# Altium PCB LOGI-PI.PcbDoc (part 2 of 3)
Units mil, origin at the board's own origin, x right, y up, seen from the top; angles counter-clockwise.
Board outline 3363.37 x 2303.46 mil, 4 copper layers (Top Layer, GND, VDD, Bottom Layer); 111 components, 137 nets, 532 pads, 353 vias.
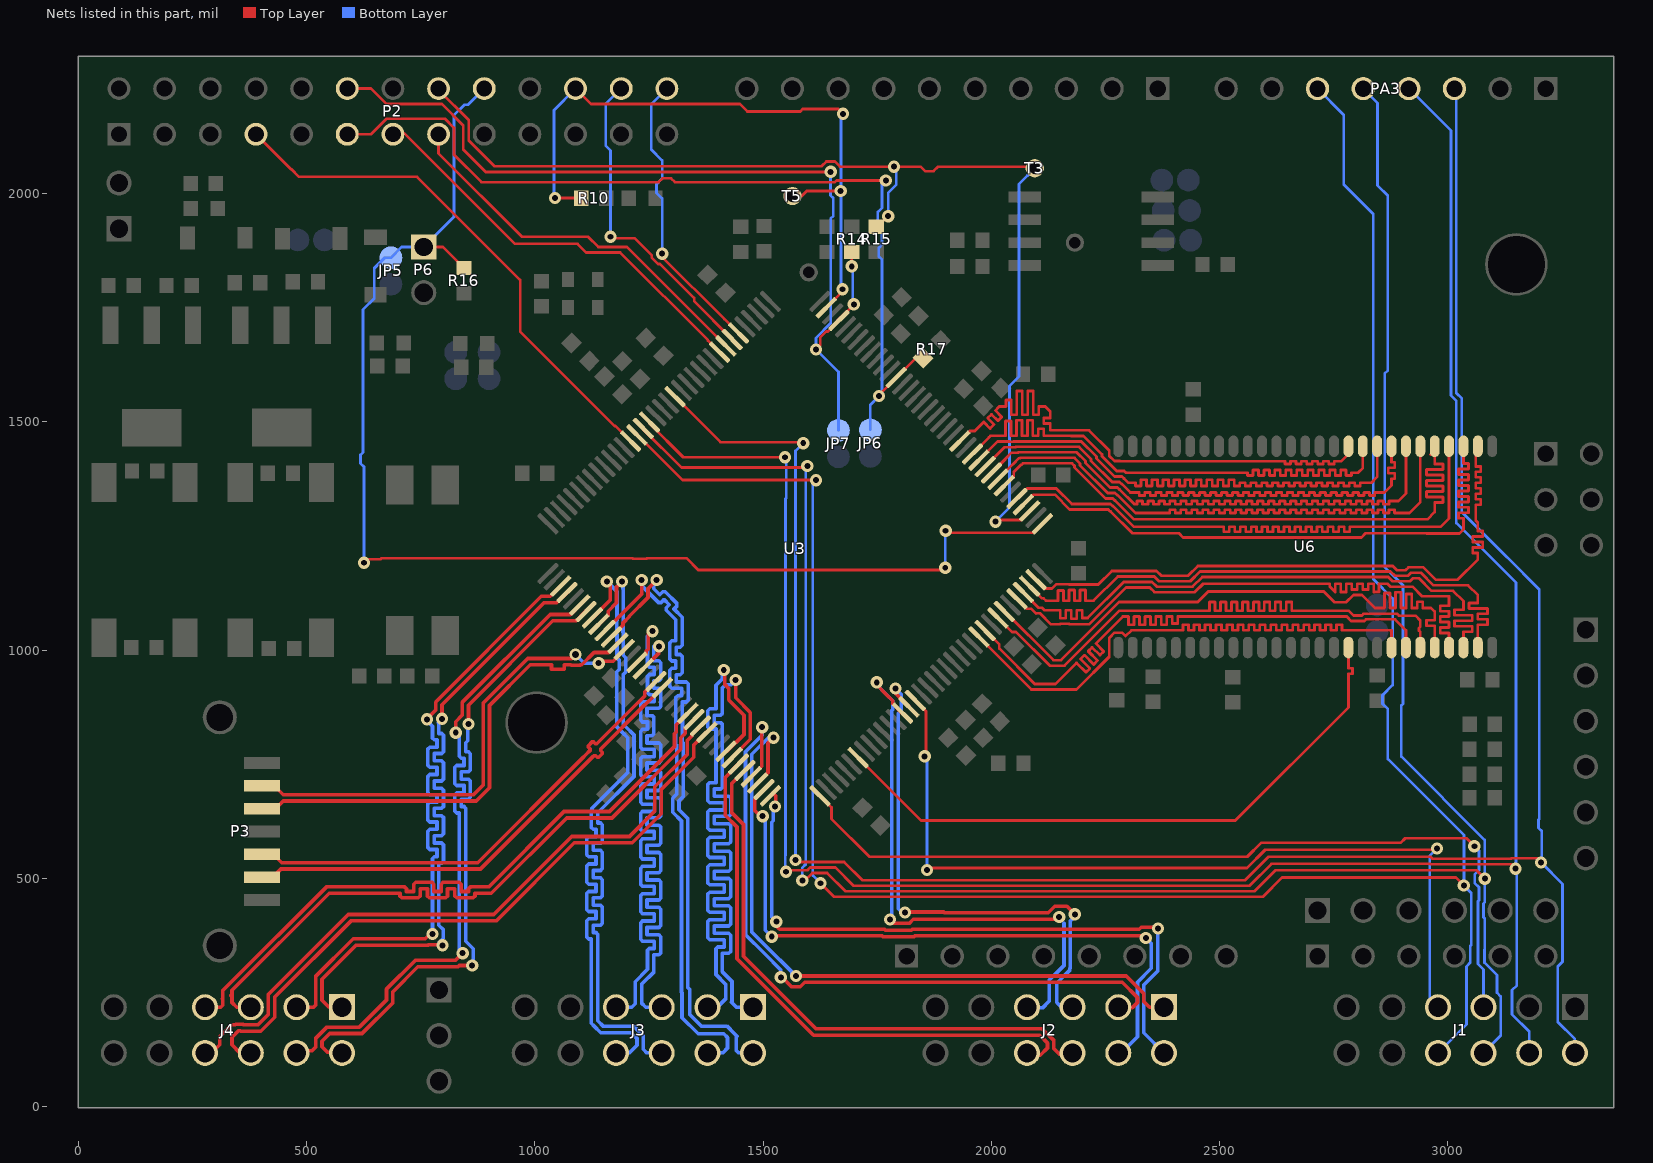
[diagram p4: the nets of this part, all layers, seen from the top]

## Via types
v1: diameter 27, hole 13, Top Layer to Bottom Layer, 267 vias
v2: diameter 27, hole 13, Top Layer to Bottom Layer, tented both sides, 76 vias
v3: diameter 27, hole 15, Top Layer to Bottom Layer, 10 vias

## Nets (pads, with @x,y where several pads share a name; then routed paths per layer and width w, separated by ;. In a path a pad name is that pad's centre, name@x,y a point inside that pad or via, vN(x,y) a via of type N, cw(c..) or ccw(c..) an arc to the next point about the centre after c; other vN are vias at no path point) (continued)
PMOD1_3_: J1.3 U3.1 | length 1897.7
  Top Layer w6: U3.1@1624.66,681.08 1650,655.73 1650,630.54 1733,547.54 2560.54,547.54 2591,578 2896.46,578 2906.5,588.04 3040.5,588.04 v1(3058,570.54)
  Bottom Layer w6: v1(3058,570.54) 3067.87,560.67 3067.87,518.23 3058.5,508.86 3058.5,490.22 3067.87,480.85 3067.87,452.09 3065.87,450.09 3065.87,312.74 3078.04,300.57 J1.3@3078.04,218
PMOD1_4_: J1.4 U3.16 | length 1884.8
  Top Layer w6: U3.16@1833.45,889.87 1833.45,889.75 1857,866.2 1857,770.54 v1(1854,767.54) 1854,766.54 1853,765.54 v1@1852.89,765.66 ; v1(1859,518.54) 1863.26,522.81 2559.81,522.81 2600,563 2973.46,563 v1(2976,565.54)
  Bottom Layer w6: v1(1854,767.54) 1859.04,762.5 1859.04,609.54 1859,609.5 v1(1859,518.54) ; v1(2976,565.54) 2960.37,549.91 2960.37,235.67 J1.4@2978.04,218
PMOD1_7_ARD_D2: J1.7 PA3.C3 U3.88 | length 5154.9
  Top Layer w6: U3.88@1307.29,1555.22 1406.97,1455.54 1586,1455.54 v1(1588,1453.54) ; v1(1571,540.54) 1575.5,536.04 1677.67,536.04 1717.67,496.04 2555.33,496.04 2606.83,547.54 2962.18,547.54 2966.68,543.04 3137.68,543.04 3138.68,544.04 3194.96,544.04 v1(3204,535)
  Bottom Layer w6: v1(1571,540.54) 1571,1436.54 v1(1588,1453.54) ; PA3.C3@3014.37,2230 3018.5,2225.87 3018.5,1562.8 3030.5,1550.8 3030.5,1302.04 3128.77,1203.77 ; 3129,1204 3200,1133 3200,630.82 3198.5,629.32 3198.5,610.68 3205.5,603.68 v1@3205.5,533.5 ; v1(3204,535) v1@3205.5,533.5 ; J1.7@3278.04,118 3278.04,148.27 3240.54,185.77 3240.54,307.38 3250.87,317.71 3250.87,488.13 v1@3205.5,533.5
PMOD1_8_ARD_D3: J1.8 PA3.C4 U3.92 | length 5114.6
  Top Layer w6: U3.92@1251.62,1499.54 1251.62,1496.08 1325.15,1422.54 v1(1548,1422.54) ; v1(1550.17,514.71) 1553.5,518.04 1576.53,518.04 1576.6,517.97 1576.68,518.04 1596.96,518.04 1602.96,524.04 1658.41,524.04 1698.41,484.04 2565.54,484.04 2613.5,532 2960.75,532 2961.71,531.04 3138.5,531.04 v1(3148,521.54)
  Bottom Layer w6: v1(1548,1422.54) 1551,1419.54 1551,1333.46 1549,1331.46 1549,550.86 1548.5,550.36 1548.5,516.37 v1(1550.17,514.71) ; PA3.C4@2914.37,2230 3006.5,2137.87 3006.5,1557.83 3018.5,1545.83 3018.5,1278.78 3148.87,1148.41 v1@3148.87,522.41 ; v1(3148,521.54) v1@3148.87,522.41 ; J1.8@3178.04,118 3178.04,164.97 3140.54,202.47 3140.54,255.5 3150.87,265.83 3150.87,520.41 v1@3148.87,522.41
PMOD1_9_ARD_D4: J1.9 PA3.C5 U3.93 | length 5119.1
  Top Layer w6: U3.93@1237.7,1485.62 1237.7,1483.59 1321.25,1400.04 1593.5,1400.04 v1(1597,1403.54) ; v1(1586,495.54) 1591.43,495.54 1607.93,512.04 1640.5,512.04 1680.5,472.04 2576.44,472.04 2622.4,518 3062.54,518 v1(3081,499.54)
  Bottom Layer w6: v1(1586,495.54) 1586,523.72 1593.5,531.22 1593.5,1400.04 v1(1597,1403.54) ; PA3.C5@2814.37,2230 2845.87,2198.5 2845.87,2017.74 2868.37,1995.24 2868.37,1612.62 2861.5,1605.75 2861.5,1182.54 2901.87,1142.17 2901.87,882.68 2898,878.81 2898,767.18 3080.5,584.68 3080.5,507.54 3081,507.04 v1(3081,499.54) ; J1.9@3078.04,118 3115.54,155.5 3115.54,241.7 3107.37,249.87 3107.37,288.21 3079.87,315.71 3079.87,344.29 3080.5,344.92 3080.5,412.25 3077.87,414.88 3077.87,445.12 3080.5,447.75 v1@3080.5,499.54
PMOD1_10_ARD_D5: J1.10 PA3.C6 U3.94 | length 5071.3
  Top Layer w6: U3.94@1223.78,1471.7 1224.84,1471.7 1324,1372.54 v1(1616,1372.54) ; v1(1626,489.54) 1655.5,460.04 2595.04,460.04 2637,502 3017.54,502 v1(3035,484.54)
  Bottom Layer w6: v1(1616,1372.54) 1609,1365.54 1609,506.54 v1(1626,489.54) ; PA3.C6@2714.37,2230 2771.86,2172.51 2771.86,2019.7 2836.5,1955.06 2836.5,1155.63 2879.06,1113.07 2879.06,923.51 2856.87,901.32 2856.87,882.68 2868.37,871.18 2868.37,761.69 3035,595.06 v1(3035,484.54) ; J1.10@2978.04,118 3040.54,180.5 3040.54,307.38 3048.87,315.71 3048.87,351.79 3050.87,353.79 3050.87,468.67 v1@3035.5,484.04
PMOD2_1_DIFF11_P: J2.1 U3.142 | length 1556.2
  Top Layer w8: U3.142@1484,704.54 1511,731.54 1511,796.54 v1(1523,808.54) ; v1(1572,286.54) 2295.54,286.54 2334,248.08 2334,230.65 2346.65,218 J2.1@2378.04,218
  Bottom Layer w8: v1(1523,808.54) 1522,809.54 1513,809.54 1475.5,772.04 1475.5,382.81 1509.27,349.04 1509.5,349.04 1562.5,296.04 1562.5,292.04 1568,286.54 v1(1572,286.54)
PMOD2_2_DIFF11_N: J2.2 U3.141 | length 1579.9
  Top Layer w8: U3.141@1474.33,722.84 1497,745.51 1497,830.54 v1(1498,831.54) ; v1(1539,283.54) 1541.77,283.54 1562.27,263.04 1581.73,263.04 1591.23,272.54 2286.54,272.54 2320,239.08 2320,228.54 2309,217.54 J2.2@2278.5,217.54 ; J2.2@2277.03,217.54 J2.2@2278.5,217.54 ; J2.2@2278.04,218 J2.2@2278.5,217.54
  Bottom Layer w8: v1(1498,831.54) 1498,814.34 1461.5,777.84 1461.5,377.01 1503.47,335.04 1503.7,335.04 1539,299.74 v1(1539,283.54)
PMOD2_3_DIFF9_P: J2.3 U3.15 | length 1196.2
  Top Layer w8: v1(1790.26,916.01) 1789.99,915.74 1789.99,905.49 U3.15@1819.53,875.95 ; v1(1811,425.54) 1810,426.54 1895.5,426.54 1897,425.04 2124.81,425.04 2138.81,439.04 2165.5,439.04 v1(2183,421.54)
  Bottom Layer w8: v1(1790.26,916.01) 1789.99,915.74 1802.5,903.23 1802.5,868.54 1796,862.04 1796,433.54 1804,425.54 v1(1811,425.54) ; J2.3@2178.04,218 2153.54,218 2143,228.54 2143,270.64 2172.04,299.68 2172.04,302.78 2173,303.74 2173,406.78 2178,411.78 v1@2178,420.54 ; v1@2178.5,420.54 v1@2178.5,421.54
PMOD2_4_DIFF9_N: J2.4 U3.14 | length 1244.9
  Top Layer w8: v1(1749,929.54) 1749,924.04 1770.1,902.94 1783.86,889.17 1783.86,882.39 1804.22,862.03 U3.14@1805.61,862.03 ; v1(1778,409.98) 1785.94,402.04 1820.73,402.04 1829.23,410.54 2143.54,410.54 v1(2148.54,415.54)
  Bottom Layer w8: v1(1749,929.54) 1749,924.04 1783.86,889.17 1783.86,869.7 1782,867.84 1782,411.84 v1@1783.86,409.98 ; J2.4@2078.69,217.54 2079.69,216.54 2112,216.54 2127,231.54 2127,277.54 2159,309.54 2159,401.54
PMOD2_7_DIFF12_P: J2.7 U3.144 | length 1437.2
  Top Layer w8: U3.144@1521,687.54 1527.67,680.88 1527.67,657.54 v1(1526,657.54) ; v1(1529,405.54) 1529,395.78 1536.23,388.54 1766.2,388.54 1768.27,386.48 1824.97,386.48 1827.03,388.54 2324.04,388.54 2328.64,393.14 v1@2352.7,393.14
  Bottom Layer w8: v1(1526,657.54) 1522.5,654.04 1522.5,626.81 1519,623.31 1519,415.54 v1(1529,405.54) ; v1(2365,390.54) 2364.37,389.91 2364.37,297.32 2334,266.95 2334,162.04 J2.7@2378.04,118
PMOD2_8_DIFF12_N: J2.8 U3.143 | length 1459.1
  Top Layer w8: v1@1496.5,634.04 1481.72,648.82 1481.72,673.78 1502.17,694.22 U3.143@1502.16,695 ; v1(1519,372.54) 1521,374.54 1760.4,374.54 1762.47,372.48 1830.77,372.48 1832.83,374.54 2333.47,374.54 v1(2338.37,369.64)
  Bottom Layer w8: v1(1499,636.54) 1505,630.54 1505,386.54 v1(1519,372.54) ; J2.8@2278.04,118 2284.44,118 2320,153.56 2320,238.54 ; 2320,241.54 2320,272.74 2350.37,303.11 2350.37,357.64 v1(2338.37,369.64)
PMOD2_9_DIFF10_P: J2.9 U3.140 | length 1244.1
  Top Layer w8: U3.140@1460.41,736.76 1431.1,707.45 1431.1,644.45 1457.1,618.44 1457.1,329.88 1616.48,170.5 2111.8,170.5 2137,145.3 2137,127.08 2148.54,115.54 J2.9@2172,115.54
PMOD2_10_DIFF10_N: J2.10 U3.139 | length 1285
  Top Layer w8: U3.139@1446.49,750.67 1417.1,721.28 1417.1,638.65 1443.1,612.64 1443.1,324.08 1610.68,156.5 2106,156.5 2123,139.5 2123,128.54 2107,112.54 2070,112.54 J2.10@2064,118.54
PMOD3_1_DIFF7_P: J3.1 U3.138 | length 1417.1
  Top Layer w8: U3.138@1432.57,764.59 1432.57,765.34 1472.26,805.03 1472.26,863.29 1440,895.54 v1(1440,934.54)
  Bottom Layer w8: v1(1440,934.54) 1430,924.54 1418,924.54 1411,917.54 1411,861.54 1406.9,857.44 1393,857.44 1393,841.44 1406.9,841.44 1411,837.34 1411,700.08 1406.9,695.98 1393,695.98 1393,679.98 1424.9,679.98 1429,675.88 1429,640.08 1424.9,635.98 1393,635.98 1393,619.98 1424.9,619.98 1429,615.88 1429,580.08 1424.9,575.98 1393,575.98 1393,559.98 1424.9,559.98 1429,555.88 1429,520.08 1424.9,515.98 1393,515.98 1393,499.98 1424.9,499.98 1429,495.88 1429,460.08 1424.9,455.98 1393,455.98 1393,439.98 1424.9,439.98 1429,435.88 1429,400.08 1424.9,395.98 1393,395.98 1393,379.98 1424.9,379.98 1429,375.88 1429,340.08 1424.9,335.98 1411,335.98 1411,295.34 1432,274.34 1432,230.11 1430.9,229.01 1441.91,218 J3.1@1478.04,218
PMOD3_2_DIFF7_N: J3.2 U3.137 | length 1430.2
  Top Layer w8: v1(1414,956.54) 1414,952.11 1416.5,949.61 1416.5,924.81 1425,916.31 1425,891.54 1426,890.54 1426,889.74 1458.26,857.49 1458.26,815.26 1421.51,778.51 U3.137@1418.65,778.51
  Bottom Layer w8: J3.2@1378.04,218 1400.09,218 1418,235.91 1418,268.54 1397,289.54 1397,345.88 1401.1,349.98 1415,349.98 1415,365.98 1383.1,365.98 1379,370.08 1379,405.88 1383.1,409.98 1415,409.98 1415,425.98 1383.1,425.98 1379,430.08 1379,465.88 1383.1,469.98 1415,469.98 1415,485.98 1383.1,485.98 1379,490.08 1379,525.88 1383.1,529.98 1415,529.98 1415,545.98 1383.1,545.98 1379,550.08 1379,585.88 1383.1,589.98 1415,589.98 1415,605.98 1383.1,605.98 1379,610.08 1379,645.88 1383.1,649.98 1415,649.98 1415,665.98 1383.1,665.98 1379,670.08 1379,705.88 1383.1,709.98 1397,709.98 1397,827.44 1383.1,827.44 1379,831.54 1379,867.34 1383.1,871.44 1397,871.44 1397,923.34 1411.17,937.51 1411.17,953.71 v1(1414,956.54)
PMOD3_3_DIFF5_P: J3.3 U3.124 | length 1432.4
  Top Layer w8: U3.124@1237.7,959.47 1271,992.77 1271,1008.54 v1(1272,1008.54)
  Bottom Layer w8: v1(1272,1008.54) 1261,1008.54 1261,976.77 1271.9,976.77 1276,972.67 1276,936.87 1271.9,932.77 1261,932.77 1261,916.77 1271.9,916.77 1276,912.67 1276,876.87 1271.9,872.77 1246,872.77 1246,856.77 1256.9,856.77 1261,852.67 1261,816.87 1256.9,812.77 1246,812.77 1246,796.77 1271.9,796.77 1276,792.67 1276,756.87 1271.9,752.77 1246,752.77 1246,736.77 1271.9,736.77 1276,732.67 1276,696.87 1271.9,692.77 1246,692.77 1246,676.77 1271.9,676.77 1276,672.67 1276,636.87 1271.9,632.77 1246,632.77 1246,616.77 1271.9,616.77 1276,612.67 1276,576.87 1271.9,572.77 1246,572.77 1246,556.77 1271.9,556.77 1276,552.67 1276,516.87 1271.9,512.77 1246,512.77 1246,496.77 1271.9,496.77 1276,492.67 1276,456.87 1271.9,452.77 1246,452.77 1246,436.77 1271.9,436.77 1276,432.67 1276,396.87 1271.9,392.77 1246,392.77 1246,376.77 1271.9,376.77 1276,372.67 1276,336.87 1271.9,332.77 1261,332.77 1261,295.28 1234,268.28 1234,227.16 1243.16,218 J3.3@1278.04,218
PMOD3_4_DIFF5_N: J3.4 U3.123 | length 1466.2
  Top Layer w8: U3.123@1223.78,973.39 1244.22,993.83 1244.22,998.25 1248.3,1002.33 v1@1248.3,1035.44
  Bottom Layer w8: J3.4@1178.04,218 1212.46,218 1220,225.54 1220,274.08 1247,301.08 1247,342.67 1251.1,346.77 1262,346.77 1262,362.77 1236.1,362.77 1232,366.87 1232,402.67 1236.1,406.77 1262,406.77 1262,422.77 1236.1,422.77 1232,426.87 1232,462.67 1236.1,466.77 1262,466.77 1262,482.77 1236.1,482.77 1232,486.87 1232,522.67 1236.1,526.77 1262,526.77 1262,542.77 1236.1,542.77 1232,546.87 1232,582.67 1236.1,586.77 1262,586.77 1262,602.77 1236.1,602.77 1232,606.87 1232,642.67 1236.1,646.77 1262,646.77 1262,662.77 1236.1,662.77 1232,666.87 1232,702.67 1236.1,706.77 1262,706.77 1262,722.77 1236.1,722.77 1232,726.87 1232,762.67 1236.1,766.77 1262,766.77 1262,782.77 1236.1,782.77 1232,786.87 1232,822.67 1236.1,826.77 1247,826.77 1247,842.77 1236.1,842.77 1232,846.87 1232,882.67 1236.1,886.77 1262,886.77 1262,902.77 1251.1,902.77 1247,906.87 1247,942.67 1251.1,946.77 1262,946.77 1262,962.77 1251.1,962.77 1247,966.87 1247,1030.54 v1(1258,1041.54)
PMOD3_7_DIFF8_P: J3.7 U3.119 | length 1447.5
  Top Layer w8: U3.119@1168.1,1029.06 1193.36,1054.32 1193.36,1059.37 1207.12,1073.14 1207.12,1074.51 1248,1115.39 1248,1134.31 1257.5,1143.81 1257.5,1144.04 v1(1267,1153.54)
  Bottom Layer w8: v1(1267,1153.54) 1260.5,1147.04 1260.5,1134.84 1273.93,1121.41 1280.23,1127.7 1286.03,1127.7 1311.34,1102.39 1311.34,1096.59 1305.05,1090.29 1323,1072.34 1323,1010.54 1318.9,1006.44 1310,1006.44 1310,990.44 1318.9,990.44 1323,986.34 1323,950.54 1318.9,946.44 1310,946.44 1310,930.44 1331.9,930.44 1336,926.34 1336,890.54 1331.9,886.44 1323,886.44 1323,850.9 1323.5,850.4 1323.5,819.33 1323,818.83 1323,799.34 1325.34,797 1325.34,679.66 1315.96,670.28 1315.96,650.81 1335.25,631.52 1335.25,261.3 1339.54,257 1339.54,202.05 1364.89,176.7 1420.88,176.7 1438.02,159.56 ; 1443,154.59 1438.02,159.56 ; J3.7@1478.04,118 1446.54,118 1441,123.54 1441,156.59 1438.02,159.56
PMOD3_8_DIFF8_N: J3.8 U3.118 | length 1423
  Top Layer w8: U3.118@1154.18,1042.98 1234,1122.8 v1(1234,1153.54)
  Bottom Layer w8: v1(1234,1153.54) 1234,1141.54 1271.04,1104.51 1276.83,1104.51 1283.13,1110.8 1294.44,1099.49 1288.15,1093.19 1288.15,1087.4 1309,1066.54 1309,1020.44 1300.1,1020.44 1296,1016.34 1296,980.54 1300.1,976.44 1309,976.44 1309,960.44 1300.1,960.44 1296,956.34 1296,920.54 1300.1,916.44 1322,916.44 1322,900.44 1313.1,900.44 1309,896.34 1309,845.1 1309.5,844.6 1309.5,825.13 1309,824.63 1309,793.54 1311.34,791.2 1311.34,685.46 1301.96,676.08 1301.96,645.01 1321.25,625.72 1321.25,251.26 1322.54,249.96 1322.54,195.01 1357.85,159.7 1413.84,159.7 1422,151.54 1422,128.54 1411.46,118 J3.8@1378.04,118
PMOD3_9_DIFF6_P: J3.9 U3.117 | length 1451.6
  Top Layer w8: U3.117@1140.26,1056.9 1140.88,1056.9 1160.7,1076.72 1160.7,1085.38 1179,1103.68 1179,1138.31 1181.5,1140.81 1181.5,1141.04 v1(1191,1150.54)
  Bottom Layer w8: v1(1191,1150.54) 1193.36,1148.18 1193.36,1134.75 1194,1134.11 1194,1060.02 1193.36,1059.37 1193.36,1039.91 1194,1039.26 1194,988.69 1199.42,983.27 1199.42,952.21 1194,946.79 1194,924.23 1193.5,923.73 1193.5,904.27 1193.88,903.88 1193.88,899.81 1193.94,899.76 1193.94,837.4 1197.8,833.54 1198.17,833.54 1217.5,814.21 1217.5,723.24 1138,643.74 1138,621.54 1143.9,621.54 1148,617.44 1148,581.64 1143.9,577.54 1128,577.54 1128,561.54 1143.9,561.54 1148,557.44 1148,521.64 1143.9,517.54 1128,517.54 1128,501.54 1143.9,501.54 1148,497.44 1148,461.64 1143.9,457.54 1128,457.54 1128,441.54 1143.9,441.54 1148,437.44 1148,401.64 1143.9,397.54 1128,397.54 1128,381.54 1133.9,381.54 1138,377.44 1138,188.5 1150.5,176 1217.12,176 1233.68,159.44 1237.78,155.34 1237.78,125.77 1245.54,118 J3.9@1278.04,118
PMOD3_10_DIFF6_N: J3.10 U3.116 | length 1444.1
  Top Layer w8: U3.116@1126.34,1070.82 1127.64,1070.82 1146.7,1089.88 1146.7,1091.18 1165,1109.48 1165,1143.54 v1(1158,1150.54)
  Bottom Layer w8: v1(1158,1150.54) 1158,1150.31 1180,1128.31 1180,1065.81 1179.36,1065.17 1179.36,1034.11 1180,1033.47 1180,986.53 1179.94,986.47 1179.94,982.95 1185.42,977.47 1185.42,958.01 1179.88,952.47 1179.88,929.92 1179.5,929.53 1179.5,898.47 1179.88,898.08 1179.88,894.01 1179.94,893.96 1179.94,831.6 1192,819.54 1192.37,819.54 1203.5,808.41 1203.5,732.04 1125.54,654.08 1125.54,651.08 1124,649.54 1124,611.64 1128.1,607.54 1134,607.54 1134,591.54 1118.1,591.54 1114,587.44 1114,551.64 1118.1,547.54 1134,547.54 1134,531.54 1118.1,531.54 1114,527.44 1114,491.64 1118.1,487.54 1134,487.54 1134,471.54 1118.1,471.54 1114,467.44 1114,431.64 1118.1,427.54 1134,427.54 1134,411.54 1118.1,411.54 1114,407.44 1114,371.64 1118.1,367.54 1124,367.54 1124,182.7 1130,176.7 1144.7,162 1211.32,162 1223.78,149.54 1223.78,134.77 1207.01,118 J3.10@1178.04,118
PMOD4_1_DIFF3_P: J4.1 U3.112 | length 1451
  Top Layer w8: J4.1@578.04,218 549.54,218 534,233.54 534,279.54 608.3,353.85 766.1,353.85 767.3,355.04 784.27,355.04 ; v1(797,849.54) 797,880.54 1020.29,1103.84 1048,1103.84 U3.112@1070.66,1126.5
  Bottom Layer w8: v1(797,849.54) 788.47,841.01 790,839.48 790,817.58 795.9,817.58 800,813.48 800,777.68 795.9,773.58 780,773.58 780,757.58 795.9,757.58 800,753.48 800,717.68 795.9,713.58 780,713.58 780,697.58 795.9,697.58 800,693.48 800,657.68 795.9,653.58 780,653.58 780,637.58 795.9,637.58 800,633.48 800,597.68 795.9,593.58 780,593.58 780,577.58 795.9,577.58 800,573.48 800,537.68 795.9,533.58 790,533.58 790,397.78 799.5,388.28 799.5,368.81 791.12,360.43 v1(798,353.54)
PMOD4_2_DIFF3_N: J4.2 U3.111 | length 1459
  Top Layer w8: J4.2@478.04,218 515.46,218 520,222.54 520,285.34 602.5,367.85 760.3,367.85 v1@776,383.54 ; v1(763.87,848.54) 763.87,849.97 783,869.1 783,886.34 1014.49,1117.84 1034.16,1117.84 U3.111@1056.74,1140.42
  Bottom Layer w8: v1(763.87,848.54) 766.87,845.54 766.87,842.81 776,833.68 776,807.68 780.1,803.58 786,803.58 786,787.58 770.1,787.58 766,783.48 766,747.68 770.1,743.58 786,743.58 786,727.58 770.1,727.58 766,723.48 766,687.68 770.1,683.58 786,683.58 786,667.58 770.1,667.58 766,663.48 766,627.68 770.1,623.58 786,623.58 786,607.58 770.1,607.58 766,603.48 766,567.68 770.1,563.58 786,563.58 786,547.58 780.1,547.58 776,543.48 v1(776,378.54)
PMOD4_3_DIFF1_P: J4.3 U3.132 | length 1440.4
  Top Layer w8: 334,243.54 337.05,246.59 ; J4.3@378.04,218 347.54,218 337.05,228.49 337.05,246.59 ; U3.132@1349.05,848.11 1329.63,828.69 1329.63,817.77 1320,808.14 1320,783.14 1169.4,632.54 1069.8,632.54 904.8,467.54 869,467.54 869,461.64 864.9,457.54 829.1,457.54 825,461.64 825,477.54 809,477.54 809,461.64 804.9,457.54 769.1,457.54 765,461.64 765,477.54 749,477.54 749,461.64 744.9,457.54 709.1,457.54 705,461.64 705,467.54 549.64,467.54 337.05,254.95 337.05,246.59
PMOD4_4_DIFF1_N: J4.4 U3.131 | length 1455.2
  Top Layer w8: J4.4@278.04,218 312.46,218 316.85,222.39 316.85,237.39 ; 316,236.54 316.85,237.39 ; U3.131@1335.13,862.03 1310,836.9 1310,820.82 1306,816.82 1306,813.94 1306,788.94 1163.6,646.54 1064,646.54 899,481.54 859.1,481.54 855,477.44 855,471.54 839,471.54 839,487.44 834.9,491.54 799.1,491.54 795,487.44 795,471.54 779,471.54 779,487.44 774.9,491.54 739.1,491.54 735,487.44 735,471.54 719,471.54 719,477.44 714.9,481.54 543.85,481.54 327.15,264.85 316.85,254.54 316.85,237.39
PMOD4_7_DIFF4_P: J4.7 U3.115 | length 1464.2
  Top Layer w8: J4.7@578.04,118 576.5,119.54 546,119.54 534,131.54 534,143.74 550.8,160.54 621.8,160.54 689.37,228.11 689.37,251.91 744,306.54 831.8,306.54 834.8,309.54 v1(863,309.54) ; v1(854.84,838.15) 854.84,879.39 1039.68,1064.22 1090.72,1064.22 1111.24,1084.74 U3.115@1112.42,1084.74
  Bottom Layer w8: v1(854.84,838.15) 854.84,835.39 853,833.54 853,801.54 849,797.54 849,777.54 854.9,777.54 859,773.44 859,737.64 854.9,733.54 839,733.54 839,717.54 854.9,717.54 859,713.44 859,677.64 854.9,673.54 839,673.54 839,657.54 844.9,657.54 849,653.44 849,362.78 865.5,346.28 865.5,312.04 v1(863,309.54)
PMOD4_8_DIFF4_N: J4.8 U3.114 | length 1454.2
  Top Layer w8: J4.8@478.04,118 482.58,122.54 512,122.54 520,130.54 520,149.54 545,174.54 616,174.54 675.37,233.91 675.37,257.71 738.2,320.54 826,320.54 v1(842,336.54) ; v1(827,819.33) 827,843.54 840.84,857.39 840.84,885.19 1033.88,1078.22 1078.06,1078.22 U3.114@1098.5,1098.66
  Bottom Layer w8: v1(827,819.33) 835,811.33 835,767.64 839.1,763.54 845,763.54 845,747.54 829.1,747.54 825,743.44 825,707.64 829.1,703.54 845,703.54 845,687.54 829.1,687.54 825,683.44 825,647.64 829.1,643.54 835,643.54 835,343.54 v1(842,336.54)
PMOD4_9_DIFF2_P: J4.9 U3.134 | length 1455.1
  Top Layer w8: J4.9@378.04,118 354.59,118 337.05,135.54 337.05,152.59 351,166.54 355.25,166.54 356.29,165.5 399.79,165.5 400.83,166.54 401,166.54 430.54,196.08 430.54,240.26 597.32,407.04 915.8,407.04 1086.8,578.04 1213.4,578.04 1277.1,641.74 1277.1,694.85 1348,765.74 1348,792.29 1375.99,820.27 U3.134@1376.89,820.27
PMOD4_10_DIFF2_N: J4.10 U3.133 | length 1465.7
  Top Layer w8: J4.10@285,110.54 310.13,135.67 310.13,153.67 335.96,179.5 344.16,179.5 345.2,180.54 361.05,180.54 362.09,179.5 393.99,179.5 416.54,202.05 416.54,246.06 591.52,421.04 910,421.04 1081,592.04 1207.6,592.04 1263.1,647.54 1263.1,700.65 1334,771.54 1334,802.34 1343.63,811.97 1343.63,814.85 U3.133@1362.97,834.19
RP_GPIO_GCLK: P2.7 U3.95 | length 1174.1
  Top Layer w6: P2.7@389.37,2130 466.13,2053.24 467.3,2053.24 483.78,2036.76 742.24,2036.76 968,1811 968,1697.54 1174.5,1491.04 1176.5,1491.04 U3.95@1216,1451.54
RP_GPIO_GEN0_MODE0: JP6.1 P2.11 R17.2 U3.60 | length 2015.9
  Top Layer w6: P2.11@589.37,2130 641.29,2130 675.29,2164 803.45,2164 823.37,2144.08 823.37,2085.17 883.5,2025.04 1271.22,2025.04 1279.68,2033.5 1298.32,2033.5 1306.78,2025.04 1657.32,2025.04 1660.82,2028.54 v1(1769,2028.54) ; v1(1754,1556.54) 1754,1558.55 1791.69,1596.24 U3.60@1791.69,1596.98 1834.65,1639.93 R17.2@1848.62,1639.93
  Bottom Layer w6: P2.11@576.87,2117.5 P2.11@589.37,2130 ; JP6.1@1735,1482.54 1735,1537.54 v1(1754,1556.54) 1760.36,1562.91 1760.36,1855.68 1753.38,1862.67 1753.38,1881.31 1760.36,1888.29 1760.36,1932.36 1751.5,1941.22 1751.5,1959.86 1760.36,1968.73 1760.36,2019.91 v1(1769,2028.54)
RP_GPIO_GEN1_MODE1: JP7.1 P2.12 R14.2 U3.69 | length 2028.5
  Top Layer w6: P2.12@589.37,2230 641.29,2230 675.29,2196 796.54,2196 843.37,2149.17 843.37,2096.84 892.67,2047.54 v1(1648,2047.54) ; v1(1616,1658.54) 1625.05,1667.59 1625.05,1684.86 1638.23,1698.04 1642.04,1698.04 1666.25,1722.25 U3.69@1666.41,1722.25 1666.41,1724.96 U3.69@1668.75,1727.29 ; U3.69@1664.42,1724.24 1667.48,1727.29 U3.69@1668.75,1727.29 ; U3.69@1669.74,1727.29 U3.69@1668.75,1727.29 ; v1(1694.25,1840.54) R14.2@1694.25,1871.98 ; v1(1699,1757.54) U3.69@1668.75,1727.29
  Bottom Layer w6: v1(1648,2047.54) 1647.5,2047.04 1647.5,1996.22 1654,1989.72 1654,1951.22 1648,1945.22 1648,1716 1616,1684 v1(1616,1658.54) 1665,1609.54 JP7.1@1665,1481.54 ; v1(1694.25,1840.54) 1696.5,1838.3 1696.5,1760.04 v1(1699,1757.54)
RP_GPIO_GEN2: P2.13 U3.81 | length 914.8
  Top Layer w6: P2.13@689.37,2130 690.91,2131.54 714.78,2131.54 956.32,1890.01 1093.47,1890.01 1112.44,1871.04 1187.08,1871.04 1379,1679.12 1379,1678.38 U3.81@1404.73,1652.65
RP_GPIO_GEN3: P2.15 U3.80 | length 845.7
  Top Layer w6: P2.15@789.37,2130 789.37,2088.17 972,1905.54 1116.85,1905.54 1139.35,1883.04 1202.18,1883.04 U3.80@1418.65,1666.57
RP_GPIO_GEN4_INIT_B: P2.16 R15.1 T3.1 U3.39 | length 2470.2
  Top Layer w6: P2.16@789.37,2230 789.37,2226.81 855.37,2160.81 855.37,2115.92 911.29,2060 1628.64,2060 1638.68,2070.04 1657.32,2070.04 1668.32,2059.04 v1(1787,2059.04) 1845.05,2059.04 1855.05,2049.04 1873.69,2049.04 1883.69,2059.04 2091.5,2059.04 T3.1@2095,2055.54 ; R15.1@1748,1927.1 1750.56,1927.1 v1(1774,1950.54) ; v1(2009,1281.54) 2012.69,1285.23 2064.56,1285.23 U3.39@2084,1304.67
  Bottom Layer w6: v1(1774,1950.54) 1774,2001.72 1791.5,2019.22 1791.5,2054.54 v1(1787,2059.04) ; v1(2009,1281.54) 2040,1312.54 2040,1578.72 2060.5,1599.22 2060.5,2021.04 T3.1@2095,2055.54
RP_GPIO_GEN5_PROG_B: JP5.1 P2.18 P6.1 R16.1 U3.37 | length 2912
  Top Layer w6: v1(626,1191.54) 633.5,1199.04 662.19,1199.04 664.76,1201.62 1214.11,1201.62 1215.68,1200.04 1244.32,1200.04 1245.89,1201.62 1331.93,1201.62 1358,1175.54 1889,1175.54 1902,1188.54 1902,1183.54 v1(1899,1180.54) ; P6.1@756.8,1883.04 799.06,1883.04 R16.1@845,1837.1 ; v1(1900,1261.54) 1904.15,1257.39 2092.85,1257.39 2111.84,1276.38 U3.37@2111.84,1276.83
  Bottom Layer w6: v1(626,1191.54) 626,1401.68 618.5,1409.18 618.5,1427.82 624,1433.32 624,1746.18 648.5,1770.68 648.5,1836.54 671.5,1859.54 JP5.1@685,1859.54 708.5,1883.04 P6.1@756.8,1883.04 823,1949.24 823,2110.18 823.37,2110.55 823.37,2171.91 846,2194.54 853.91,2194.54 P2.18@889.37,2230 ; v1(1899,1180.54) 1899,1260.54 v1(1900,1261.54)
RP_GPIO_GEN6_DONE: P2.22 R10.1 T5.1 U3.71 | length 1471.7
  Top Layer w6: v1(1044.51,1990.54) 1100.9,1990.54 R10.1@1101.44,1990 ; P2.22@1089.37,2230 1123.37,2196 1449.58,2196 1465.66,2179.92 1581.62,2179.92 1586.74,2185.04 1664.5,2185.04 v1(1675,2174.54) ; T5.1@1564.37,1994.54 1584.68,1994.54 1595.68,2005.54 v1(1670,2005.54) ; U3.71@1638.58,1750.09 1674,1785.51 v1(1674,1790.54)
  Bottom Layer w6: v1@1042,2000.54 1042,2182.63 P2.22@1089.37,2230 ; v1(1674,1790.54) 1670.5,1794.04 1670.5,2170.04 v1(1675,2174.54)
RP_SPI_CE0N: P2.24 U3.79 | length 710
  Top Layer w6: v1(1166,1905.54) 1169.2,1902.35 1218.25,1902.35 1256.5,1864.1 1256.5,1859.22 1269.68,1846.04 1274.55,1846.04 1349.05,1771.54 1349.05,1764.35 1432.57,1680.83 U3.79@1432.57,1680.49
  Bottom Layer w6: v1(1166,1905.54) 1166,2094.66 1155.37,2105.29 1155.37,2196 P2.24@1189.37,2230
RP_SPI_CE1N: P2.26 U3.78 | length 639.4
  Top Layer w6: v1(1279,1868.54) 1279,1861.55 1415.65,1724.9 1416,1724.9 U3.78@1446.49,1694.41
  Bottom Layer w6: v1(1279,1868.54) 1279,1989.18 1266.5,2001.68 1266.5,2020.32 1279,2032.82 1279,2072.37 1255.37,2096 1255.37,2196 P2.26@1289.37,2230
SATA_D1_N: P3.3 U3.126 | length 1054
  Top Layer w8: P3.3@403.04,553 427.54,553 445.94,534.61 875.41,534.61 1104.67,763.87 1111.58,770.77 1121.19,780.39 1121.19,783.78 1117.52,787.46 1117.52,790.85 1125.44,798.77 1128.83,798.77 1132.51,795.1 1135.9,795.1 1145.52,804.71 1151.17,810.37 1226.85,886.04 1227.12,886.04 1240.88,899.81 1240.88,908.43 1264.08,931.63 U3.126@1265.53,931.63
SATA_D1_P: P3.2 U3.127 | length 1062.6
  Top Layer w8: P3.2@403.04,503 426.75,503 444.36,520.61 881.21,520.61 1127.57,766.97 1129.6,769 1133,769 1136.68,765.32 1140.07,765.32 1147.99,773.24 1147.99,776.64 1144.31,780.31 1144.31,783.71 1148.27,787.67 1232.65,872.04 1232.92,872.04 1250.13,889.25 1251,889.25 U3.127@1279.45,917.71
SATA_D2_N: P3.5 U3.120 | length 1057.6
  Top Layer w8: P3.5@403.04,653 432.8,653 449.34,669.54 871.71,669.54 901,698.83 901,878.71 990.22,967.93 1025,967.93 1036.65,967.93 1036.65,957.93 1064.65,957.93 1064.65,967.93 1078.65,967.93 1079.64,966.94 1099.1,966.94 1100.09,967.93 1102.93,967.93 1130,995 1147.48,995 1161.87,995 U3.120@1182.02,1015.14 U3.120@1179.6,1015.15
SATA_D2_P: P3.6 U3.121 | length 1052.9
  Top Layer w8: P3.6@403.04,703 429.54,703 449,683.54 865.91,683.54 887,704.63 887,884.51 984.42,981.93 1080.86,981.93 v3(1089.37,990.44) ; v1@1146.72,971.5 v1@1148.22,973 ; v1@1148.28,976 1171.69,976 1195.94,1000.25 U3.121@1195.94,1001.22
  Bottom Layer w8: v3(1089.37,990.44) 1108.31,971.5 v1(1140,971.5) v1@1146.72,971.5
SD-A0: U3.30 U6.23 | length 1417.8
  Top Layer w6: U3.30@2028.32,1084.74 2029.44,1084.74 2136.1,978.09 2152.52,978.09 2279.97,1105.54 2452,1105.54 2475,1128.54 2727.97,1128.54 2751.47,1105.04 2777.16,1105.04 2793.05,1120.94 2811.69,1120.94 2840.08,1092.54 2861,1092.54 2861,1125.03 2873,1125.03 2873,1092.54 2885,1092.54 2885,1127.04 2897,1127.04 2897,1092.54 2909,1092.54 2909,1123.31 2921,1123.31 2921,1092.54 2933,1092.54 2933,1106.04 2945,1106.04 2945,1092.54 2963,1092.54 2971.03,1084.51 2971.03,1065.54 2953.03,1065.54 2953.03,1053.54 2971.03,1053.54 U6.23@2971.03,1005.79
SD-A1: U3.32 U6.24 | length 1409.2
  Top Layer w6: U3.32@2056.16,1112.58 2078.23,1090.51 2087.55,1090.51 2097.79,1080.27 2098.52,1081 2105.97,1081 2130.43,1056.54 2150.28,1056.54 2151.68,1057.94 2170.32,1057.94 2171.72,1056.54 2214,1056.54 2295,1137.54 2346.87,1137.54 2357.37,1127.04 2445.6,1127.04 2464.1,1145.54 2741.27,1145.54 2741.27,1139.54 2753.27,1127.54 2753.27,1145.54 2765.27,1145.54 2765.27,1127.54 2777.27,1127.54 2777.27,1145.54 2789.27,1145.54 2789.27,1132.94 2801.27,1132.94 2801.27,1145.54 2813.27,1145.54 2813.27,1132.83 2825.27,1132.83 2825.27,1145.54 2837.27,1145.54 2837.27,1127.54 2849.27,1127.54 2849.27,1145.54 2867.27,1145.54 2873.77,1139.04 2922.23,1139.04 2943.23,1118.04 3002.53,1118.04 3002.53,1097.54 2982.98,1097.54 2982.98,1085.54 3002.53,1085.54 3002.53,1073.54 2983.03,1073.54 2983.03,1061.54 3002.53,1061.54 3002.53,1049.54 2983.03,1049.54 2983.03,1037.54 3002.53,1037.54 U6.24@3002.53,1005.79
SD-A2: U3.33 U6.25 | length 1400.5
  Top Layer w6: U3.33@2070.08,1126.47 2103.55,1093 2110.94,1093 2116.4,1087.54 2151,1087.54 2151,1069.94 2163,1069.94 2163,1087.54 2175,1087.54 2175,1068.99 2187,1068.99 2187,1087.54 2199,1087.54 2199,1070.51 2211,1070.51 2290.03,1149.54 2351.84,1149.54 2362.34,1139.04 2440.63,1139.04 2462.13,1160.54 2869.24,1160.54 2878.74,1151.04 2917.26,1151.04 2923.76,1157.54 2936.24,1157.54 2963.74,1130.04 3011.51,1130.04 3034.02,1107.53 3034.02,1088.54 3014.52,1088.54 3014.52,1076.54 3053.52,1076.54 3053.52,1064.54 3014.52,1064.54 3014.52,1052.54 3053.52,1052.54 3053.52,1040.54 3034.02,1040.54 U6.25@3034.02,1005.79
SD-A3: U3.34 U6.26 | length 1432.2
  Top Layer w6: U3.34@2084,1140.42 2110.87,1113.54 2114.37,1113.54 2119.37,1108.54 2146,1108.54 2146,1130.97 2158,1130.97 2158,1108.54 2170,1108.54 2170,1131.68 2182,1131.68 2182,1108.54 2194,1108.54 2194,1131.68 2206,1131.68 2206,1108.54 2224,1108.54 2277,1161.54 2356.81,1161.54 2367.31,1151.04 2435.66,1151.04 2457.16,1172.54 2874.21,1172.54 2883.71,1163.04 2912.29,1163.04 2918.79,1169.54 2941.21,1169.54 2968.71,1142.04 3044.41,1142.04 3065.52,1120.94 3065.52,1103.54 3046.02,1103.54 3046.02,1091.54 3086.52,1091.54 3086.52,1079.54 3065.52,1079.54 3065.52,1067.54 3086.52,1067.54 3086.52,1055.54 3065.52,1055.54 U6.26@3065.52,1005.79
SD-A4: U3.35 U6.29 | length 1469.8
  Top Layer w6: U3.35@2097.92,1154.34 2117.36,1134.9 2132.96,1134.9 2142.61,1144.54 2169.67,1144.54 2170.54,1143.68 2234.13,1143.68 2264,1173.54 2361.78,1173.54 2372.28,1163.04 2430.69,1163.04 2452.19,1184.54 2879.18,1184.54 2888.68,1175.04 2907.32,1175.04 2913.82,1181.54 2946.18,1181.54 2973.68,1154.04 3020.5,1154.04 3065.52,1199.06 3065.52,1213.02 3054.52,1213.02 3054.52,1225.02 3076.52,1225.02 3076.52,1237.02 3054.52,1237.02 3054.52,1249.02 3076.52,1249.02 3076.52,1261.02 3065.52,1261.02 3065.52,1279.02 3060.86,1283.68 3060.86,1318.54 3071.86,1318.54 3071.86,1330.54 3060.86,1330.54 3060.86,1342.54 3071.86,1342.54 3071.86,1354.54 3060.86,1354.54 3060.86,1366.54 3071.86,1366.54 3071.86,1378.54 3060.86,1378.54 3060.86,1390.54 3071.86,1390.54 3071.86,1402.54 3060.86,1402.54 3060.86,1442.08 U6.29@3065.52,1446.74
SD-A5: U3.40 U6.30 | length 1421.8
  Top Layer w6: U3.40@2070.08,1318.59 2092.03,1340.54 2139.04,1340.54 2171.29,1308.29 2256.05,1308.29 2260.29,1304.04 2261.17,1304.04 2309.17,1256.04 2410.8,1256.04 2420.04,1246.81 2810.27,1246.81 2819.5,1256.04 2953.32,1256.04 2953.82,1255.54 3025,1255.54 3034.02,1264.57 3034.02,1288.8 3023.02,1288.8 3023.02,1300.8 3045.02,1300.8 3045.02,1312.8 3023.02,1312.8 3023.02,1324.8 3045.02,1324.8 3045.02,1336.8 3023.02,1336.8 3023.02,1348.8 3045.02,1348.8 3045.02,1360.8 3023.02,1360.8 3023.02,1372.8 3045.02,1372.8 3045.02,1384.8 3023.02,1384.8 3023.02,1396.8 3045.02,1396.8 3045.02,1408.8 3034.02,1408.8 U6.30@3034.02,1446.74
SD-A6: U3.41 U6.31 | length 1419.8
  Top Layer w6: U3.41@2056.16,1332.51 2078,1354.35 2142.21,1354.35 2176.26,1320.29 2261.02,1320.29 2265.26,1316.04 2266.14,1316.04 2311.64,1270.54 2509,1270.54 2509,1259.54 2521,1259.54 2521,1270.54 2533,1270.54 2533,1259.54 2545,1259.54 2545,1270.54 2557,1270.54 2557,1259.54 2569,1259.54 2569,1270.54 2581,1270.54 2581,1259.54 2593,1259.54 2593,1270.54 2605,1270.54 2605,1259.54 2617,1259.54 2617,1270.54 2629,1270.54 2629,1259.54 2641,1259.54 2641,1270.54 2653,1270.54 2653,1259.54 2665,1259.54 2665,1270.54 2677,1270.54 2677,1259.54 2689,1259.54 2689,1270.54 2701,1270.54 2701,1259.54 2713,1259.54 2713,1270.54 2725,1270.54 2725,1259.54 2737,1259.54 2737,1270.54 2749,1270.54 2749,1259.54 2761,1259.54 2761,1270.54 2773,1270.54 2773,1259.54 2785,1259.54 2785,1270.54 2797,1270.54 2809,1270.54 2821,1270.54 2833,1270.54 2845,1270.54 2857,1270.54 2869,1270.54 2881,1270.54 2893,1270.54 2905,1270.54 2917,1270.54 2923,1270.54 2984.52,1270.54 3002.53,1288.55 U6.31@3002.53,1446.74
SD-A7: U3.43 U6.32 | length 1437.2
  Top Layer w6: U3.43@2028.32,1360.35 2028.32,1360.86 2049,1381.54 2049,1390.28 2064.77,1406.04 2065.73,1406.04 2068.96,1409.28 2177.03,1409.28 2182.31,1404 2182.31,1399.89 2249.91,1332.29 2265.99,1332.29 2270.23,1328.04 2271.11,1328.04 2312.61,1286.54 2955.04,1286.54 2971.03,1302.53 2971.03,1323.54 2989.03,1323.54 2989.03,1335.54 2953.03,1335.54 2953.03,1347.54 2989.03,1347.54 2989.03,1359.54 2953.03,1359.54 2953.03,1371.54 2989.03,1371.54 2989.03,1383.54 2953.03,1383.54 2953.03,1395.54 2989.03,1395.54 2989.03,1407.54 2971.03,1407.54 U6.32@2971.03,1437.4 ; U6.32@2962,1428.37 U6.32@2971.03,1437.4 ; U6.32@2971.03,1446.74 U6.32@2971.03,1437.4
SD-A8: U3.44 U6.33 | length 1423.2
  Top Layer w6: U3.44@2014.4,1374.27 2047.68,1407.54 2048,1407.54 2061,1420.54 2063.26,1420.54 2063.99,1421.28 2182.01,1421.28 2194.31,1408.97 2194.31,1404.86 2254.88,1344.29 2270.96,1344.29 2275.2,1340.04 2276.08,1340.04 2315.58,1300.54 2391,1300.54 2391,1307.54 2403,1307.54 2403,1300.54 2415,1300.54 2415,1307.54 2427,1307.54 2427,1300.54 2439,1300.54 2439,1307.54 2451,1307.54 2451,1300.54 2463,1300.54 2463,1307.54 2475,1307.54 2475,1300.54 2487,1300.54 2487,1307.54 2499,1307.54 2499,1300.54 2511,1300.54 2511,1307.54 2523,1307.54 2523,1300.54 2535,1300.54 2535,1307.54 2547,1307.54 2547,1300.54 2559,1300.54 2559,1307.54 2571,1307.54 2571,1300.54 2583,1300.54 2583,1307.54 2595,1307.54 2595,1300.54 2607,1300.54 2607,1307.54 2619,1307.54 2619,1300.54 2631,1300.54 2631,1307.54 2643,1307.54 2643,1300.54 2655,1300.54 2655,1307.54 2667,1307.54 2667,1300.54 2679,1300.54 2679,1307.54 2691,1307.54 2691,1300.54 2703,1300.54 2703,1307.54 2715,1307.54 2715,1300.54 2727,1300.54 2727,1307.54 2739,1307.54 2739,1300.54 2751,1300.54 2751,1307.54 2763,1307.54 2763,1300.54 2775,1300.54 2775,1307.54 2787,1307.54 2787,1300.54 2799,1300.54 2799,1307.54 2811,1307.54 2811,1300.54 2823,1300.54 2823,1307.54 2835,1307.54 2835,1300.54 2847,1300.54 2847,1307.54 2859,1307.54 2859,1300.54 2871,1300.54 2871,1307.54 2883,1307.54 2883,1300.54 2895,1300.54 2901,1300.54 2915.65,1300.54 2939.53,1324.43 U6.33@2939.53,1446.74
SD-A9: U3.45 U6.34 | length 1415.6
  Top Layer w6: U3.45@2000.48,1388.18 2030.42,1418.13 2030.42,1418.64 2044.32,1432.54 2058.29,1432.54 2059.02,1433.28 2186.98,1433.28 2206.31,1413.94 2206.31,1409.83 2259.85,1356.29 2275.93,1356.29 2280.18,1352.04 2281.05,1352.04 2313.55,1319.54 2319,1319.54 2319,1326.54 2331,1326.54 2331,1319.54 2343,1319.54 2343,1326.54 2355,1326.54 2355,1319.54 2367,1319.54 2367,1326.54 2379,1326.54 2379,1319.54 2391,1319.54 2391,1326.54 2403,1326.54 2403,1319.54 2415,1319.54 2415,1326.54 2427,1326.54 2427,1319.54 2439,1319.54 2439,1326.54 2451,1326.54 2451,1319.54 2463,1319.54 2463,1326.54 2475,1326.54 2475,1319.54 2487,1319.54 2487,1326.54 2499,1326.54 2499,1319.54 2511,1319.54 2511,1326.54 2523,1326.54 2523,1319.54 2535,1319.54 2535,1326.54 2547,1326.54 2547,1319.54 2559,1319.54 2559,1326.54 2571,1326.54 2571,1319.54 2583,1319.54 2583,1326.54 2595,1326.54 2595,1319.54 2607,1319.54 2607,1326.54 2619,1326.54 2619,1319.54 2631,1319.54 2631,1326.54 2643,1326.54 2643,1319.54 2655,1319.54 2655,1326.54 2667,1326.54 2667,1319.54 2679,1319.54 2679,1326.54 2691,1326.54 2691,1319.54 2703,1319.54 2703,1326.54 2715,1326.54 2715,1319.54 2727,1319.54 2727,1326.54 2739,1326.54 2739,1319.54 2751,1319.54 2751,1326.54 2763,1326.54 2763,1319.54 2775,1319.54 2775,1326.54 2787,1326.54 2787,1319.54 2799,1319.54 2799,1326.54 2811,1326.54 2811,1319.54 2823,1319.54 2823,1326.54 2835,1326.54 2835,1319.54 2847,1319.54 2847,1326.54 2859,1326.54 2859,1319.54 2871,1319.54 2871,1326.54 2877,1326.54 2891.59,1326.54 2908.04,1342.99 U6.34@2908.04,1446.74
SD-A10: U3.29 U6.22 | length 1395.7
  Top Layer w6: U3.29@2014.4,1070.82 2045.22,1040 2053.94,1040 2127.85,966.09 2160.54,966.09 2281,1086.54 2478,1086.54 2478,1105.54 2490,1105.54 2490,1086.54 2502,1086.54 2502,1105.54 2514,1105.54 2514,1086.54 2526,1086.54 2526,1105.54 2538,1105.54 2538,1086.54 2550,1086.54 2550,1105.54 2562,1105.54 2562,1086.54 2574,1086.54 2574,1105.54 2586,1105.54 2586,1086.54 2598,1086.54 2598,1105.54 2610,1105.54 2610,1086.54 2622,1086.54 2622,1105.54 2634,1105.54 2634,1086.54 2646,1086.54 2646,1105.54 2658,1105.54 2658,1086.54 2782.44,1086.54 2793.05,1075.94 2811.69,1075.94 2815.3,1079.54 2888.97,1079.54 2892.97,1075.54 2928.53,1075.54 2939.53,1064.54 2939.53,1051.54 2936.54,1048.55 2936.54,1042.54 2939.53,1039.54 U6.22@2939.53,1005.79
SD-A11: U3.46 U6.35 | length 1393.7
  Top Layer w6: U3.46@1986.56,1402.1 2029,1444.54 2053.32,1444.54 2054.05,1445.28 2191.95,1445.28 2218.31,1418.92 2218.31,1414.8 2264.82,1368.29 2280.9,1368.29 2285.15,1364.04 2286.02,1364.04 2304.52,1345.54 2324,1345.54 2324,1338.54 2336,1338.54 2336,1345.54 2348,1345.54 2348,1338.54 2360,1338.54 2360,1345.54 2372,1345.54 2372,1338.54 2384,1338.54 2384,1345.54 2396,1345.54 2396,1338.54 2408,1338.54 2408,1345.54 2420,1345.54 2420,1338.54 2432,1338.54 2432,1345.54 2444,1345.54 2444,1338.54 2456,1338.54 2456,1345.54 2468,1345.54 2468,1338.54 2480,1338.54 2480,1345.54 2492,1345.54 2492,1338.54 2504,1338.54 2504,1345.54 2516,1345.54 2516,1338.54 2528,1338.54 2528,1345.54 2540,1345.54 2540,1338.54 2552,1338.54 2552,1345.54 2564,1345.54 2564,1338.54 2576,1338.54 2576,1345.54 2588,1345.54 2588,1338.54 2600,1338.54 2600,1345.54 2612,1345.54 2612,1338.54 2624,1338.54 2624,1345.54 2636,1345.54 2636,1338.54 2648,1338.54 2648,1345.54 2660,1345.54 2660,1338.54 2672,1338.54 2672,1345.54 2684,1345.54 2684,1338.54 2696,1338.54 2696,1345.54 2708,1345.54 2708,1338.54 2720,1338.54 2720,1345.54 2732,1345.54 2732,1338.54 2744,1338.54 2744,1345.54 2756,1345.54 2756,1338.54 2768,1338.54 2768,1345.54 2780,1345.54 2780,1338.54 2792,1338.54 2792,1345.54 2804,1345.54 2804,1338.54 2816,1338.54 2816,1345.54 2828,1345.54 2828,1338.54 2840,1338.54 2840,1345.54 2849,1345.54 2861,1345.54 2876.54,1361.08 2876.54,1368.54 2876.54,1375.54 2883.54,1375.54 2883.54,1387.54 2876.54,1387.54 2869.54,1387.54 2869.54,1399.54 2876.54,1399.54 2883.54,1399.54 2883.54,1411.54 2876.54,1411.54 2876.54,1417.54 U6.35@2876.54,1446.74
SD-A12: U3.47 U6.36 | length 1425.5
  Top Layer w6: U3.47@1972.64,1416.02 2013.89,1457.28 2039.92,1457.28 2040.65,1456.54 2048.35,1456.54 2049.08,1457.28 2196.92,1457.28 2230.31,1423.89 2230.31,1419.77 2269.79,1380.29 2285.87,1380.29 2290.12,1376.04 2291,1376.04 2300.5,1366.54 2316,1366.54 2316,1359.54 2328,1359.54 2328,1366.54 2328,1373.54 2340,1373.54 2340,1366.54 2340,1359.54 2352,1359.54 2352,1366.54 2352,1373.54 2364,1373.54 2364,1366.54 2364,1359.54 2376,1359.54 2376,1366.54 2376,1373.54 2388,1373.54 2388,1366.54 2388,1359.54 2400,1359.54 2400,1366.54 2400,1373.54 2412,1373.54 2412,1366.54 2412,1359.54 2424,1359.54 2424,1366.54 2424,1373.54 2436,1373.54 2436,1366.54 2436,1359.54 2448,1359.54 2448,1366.54 2448,1373.54 2460,1373.54 2460,1366.54 2460,1359.54 2472,1359.54 2472,1366.54 2472,1373.54 2484,1373.54 2484,1366.54 2484,1359.54 2496,1359.54 2496,1366.54 2496,1373.54 2508,1373.54 2508,1366.54 2508,1359.54 2520,1359.54 2520,1366.54 2520,1373.54 2532,1373.54 2532,1366.54 2532,1359.54 2544,1359.54 2544,1366.54 2556,1366.54 2556,1359.54 2568,1359.54 2568,1366.54 2580,1366.54 2580,1359.54 2592,1359.54 2592,1366.54 2604,1366.54 2604,1359.54 2616,1359.54 2616,1366.54 2628,1366.54 2628,1359.54 2640,1359.54 2640,1366.54 2652,1366.54 2652,1359.54 2664,1359.54 2664,1366.54 2676,1366.54 2676,1359.54 2688,1359.54 2688,1366.54 2700,1366.54 2700,1359.54 2712,1359.54 2712,1366.54 2724,1366.54 2724,1359.54 2736,1359.54 2736,1366.54 2748,1366.54 2748,1359.54 2760,1359.54 2760,1366.54 2772,1366.54 2772,1359.54 2784,1359.54 2784,1366.54 2796,1366.54 2796,1359.54 2808,1359.54 2808,1366.54 2814,1366.54 2832,1366.54 2845.05,1379.59 U6.36@2845.05,1446.74 ; U6.36@2845.05,1464.74 U6.36@2847.88,1464.74
SD-BA0: U3.26 U6.20 | length 1434.1
  Top Layer w6: U3.26@1972.64,1029.06 2087.66,914.04 2186.77,914.04 2258.29,985.56 2258.29,1026.8 2269.9,1038.42 2286.33,1038.42 2293.86,1030.88 2306.53,1043.54 2420,1043.54 2420,1055.54 2432,1055.54 2432,1043.54 2444,1043.54 2444,1055.54 2456,1055.54 2456,1043.54 2468,1043.54 2468,1055.54 2480,1055.54 2480,1043.54 2492,1043.54 2492,1055.54 2504,1055.54 2504,1043.54 2516,1043.54 2516,1055.54 2528,1055.54 2528,1043.54 2540,1043.54 2540,1055.54 2552,1055.54 2552,1043.54 2564,1043.54 2564,1055.54 2576,1055.54 2576,1043.54 2588,1043.54 2588,1055.54 2600,1055.54 2600,1043.54 2612,1043.54 2612,1055.54 2624,1055.54 2624,1043.54 2636,1043.54 2636,1055.54 2648,1055.54 2648,1043.54 2660,1043.54 2660,1055.54 2672,1055.54 2672,1043.54 2684,1043.54 2684,1055.54 2696,1055.54 2696,1043.54 2708,1043.54 2708,1055.54 2720,1055.54 2720,1043.54 2732,1043.54 2732,1055.54 2744,1055.54 2744,1043.54 2756,1043.54 2756,1055.54 2768,1055.54 2768,1043.54 2876.54,1043.54 U6.20@2876.54,1005.79 ; U6.20@2876.54,1020.13 U6.20@2877.03,1020.62
SD-BA1: U3.27 U6.21 | length 1427.6
  Top Layer w6: U3.27@1986.56,1042.98 2017.55,1012 2017.55,1003.61 2095.11,926.04 2140.56,926.04 2186.73,972.21 2207.24,951.71 2215.72,960.19 2195.22,980.7 2203.7,989.19 2224.21,968.68 2232.69,977.16 2212.19,997.67 2220.67,1006.16 2237.81,989.02 2246.29,997.51 2229.16,1014.64 2288.06,1073.54 2300.37,1073.54 2300.37,1055.54 2312.37,1055.54 2312.37,1073.54 2324.37,1073.54 2324.37,1055.54 2336.37,1055.54 2336.37,1073.54 2348.37,1073.54 2348.37,1055.54 2360.37,1055.54 2360.37,1073.54 2372.37,1073.54 2372.37,1055.54 2384.37,1055.54 2384.37,1073.54 2396.37,1073.54 2396.37,1058.49 2408.37,1058.49 2408.37,1073.54 2778.47,1073.54 2788.08,1063.94 2816.66,1063.94 2820.27,1067.54 2884,1067.54 2908.04,1043.51 U6.21@2908.04,1005.79
SD-CAS: U3.7 U6.17 | length 1382.8
  Top Layer w6: U3.7@1708.17,764.59 1845.96,626.81 2534.3,626.81 2782.05,874.57 2782.05,948.54 2791.05,948.54 2791.05,960.54 2782.05,960.54 U6.17@2782.05,1005.79
SD-CKE: U3.48 U6.37 | length 1419.8
  Top Layer w6: U3.48@1958.72,1429.94 1994.66,1465.88 ; 1994.08,1465.3 1998.32,1469.54 2006.96,1469.54 2018.96,1469.54 2030.96,1469.54 2030.96,1502.18 2042.96,1502.18 2042.96,1469.54 2054.96,1469.54 2054.96,1503.54 2066.96,1503.54 2066.96,1469.54 2078.96,1469.54 2078.96,1503.54 2090.96,1503.54 2090.96,1469.54 2102.96,1469.54 2102.96,1484.73 2114.96,1484.73 2114.96,1469.54 2126.96,1469.54 2132.96,1469.54 2175,1469.54 2175.27,1469.28 2201.89,1469.28 2242.31,1428.86 2242.31,1424.74 2274.76,1392.29 2290.84,1392.29 2294.59,1388.54 2561,1388.54 2561,1382.54 2573,1382.54 2573,1388.54 2573,1394.54 2585,1394.54 2585,1388.54 2585,1382.54 2597,1382.54 2597,1388.54 2597,1394.54 2609,1394.54 2609,1388.54 2609,1382.54 2621,1382.54 2621,1388.54 2621,1394.54 2633,1394.54 2633,1388.54 2633,1382.54 2645,1382.54 2645,1388.54 2645,1394.54 2657,1394.54 2657,1388.54 2657,1382.54 2669,1382.54 2669,1388.54 2669,1394.54 2681,1394.54 2681,1388.54 2681,1382.54 2693,1382.54 2693,1388.54 2693,1394.54 2705,1394.54 2705,1388.54 2705,1382.54 2717,1382.54 2717,1388.54 2717,1394.54 2729,1394.54 2729,1388.54 2729,1382.54 2741,1382.54 2741,1388.54 2741,1394.54 2753,1394.54 2753,1388.54 2753,1382.54 2765,1382.54 2765,1388.54 2765,1394.54 2777,1394.54 2777,1388.54 2777,1382.54 2789,1382.54 2789,1388.54 2795,1388.54 2803.15,1388.54 2813.55,1398.94 U6.37@2813.55,1446.74
SD-CLK: U3.50 U6.38 | length 1429.4
  Top Layer w6: U3.50@1930.88,1457.78 1952.9,1479.8 1963.64,1479.8 1983.45,1499.6 1997.43,1485.62 2005.92,1494.11 1991.94,1508.09 2000.42,1516.57 2014.4,1502.59 2022.89,1511.08 2008.91,1525.06 2013.15,1529.3 ; 2015.2,1531.35 2013.15,1529.3 ; U6.38@2782.05,1446.74 2782.05,1429.6 2766,1413.54 2751,1413.54 2751,1407.54 2739,1407.54 2739,1413.54 2727,1413.54 2727,1407.54 2715,1407.54 2715,1413.54 2703,1413.54 2703,1407.54 2691,1407.54 2691,1413.54 2679,1413.54 2679,1407.54 2667,1407.54 2667,1413.54 2655,1413.54 2655,1407.54 2643,1407.54 2643,1413.54 2281.82,1413.54 2281.25,1414.12 2269.9,1414.12 2258.29,1425.73 2258.29,1437.08 2213.82,1481.54 2130.01,1481.54 2129,1482.56 2129,1496.73 2114.83,1496.73 2114.83,1508.73 2129,1508.73 2129,1522.54 2118,1533.54 2103.87,1533.54 2103.87,1515.54 2091.87,1515.54 2091.87,1567.54 2079.87,1567.54 2079.87,1515.54 2067.87,1515.54 2067.87,1567.54 2055.87,1567.54 2055.87,1515.54 2043.87,1515.54 2043.87,1548.02 2031.87,1548.02 2031.87,1533.54 2017.39,1533.54 2013.15,1529.3